# Altium PCB Load_Bank_Master.PcbDoc (part 1 of 3)
Units mil, origin at the board's own origin, x right, y up, seen from the top; angles counter-clockwise.
Board outline 5535 x 9250 mil, 4 copper layers (Top Layer, Layer 1, Layer 2, Bottom Layer), stack 62.448 mil thick; 225 components, 216 nets, 1024 pads, 192 vias.
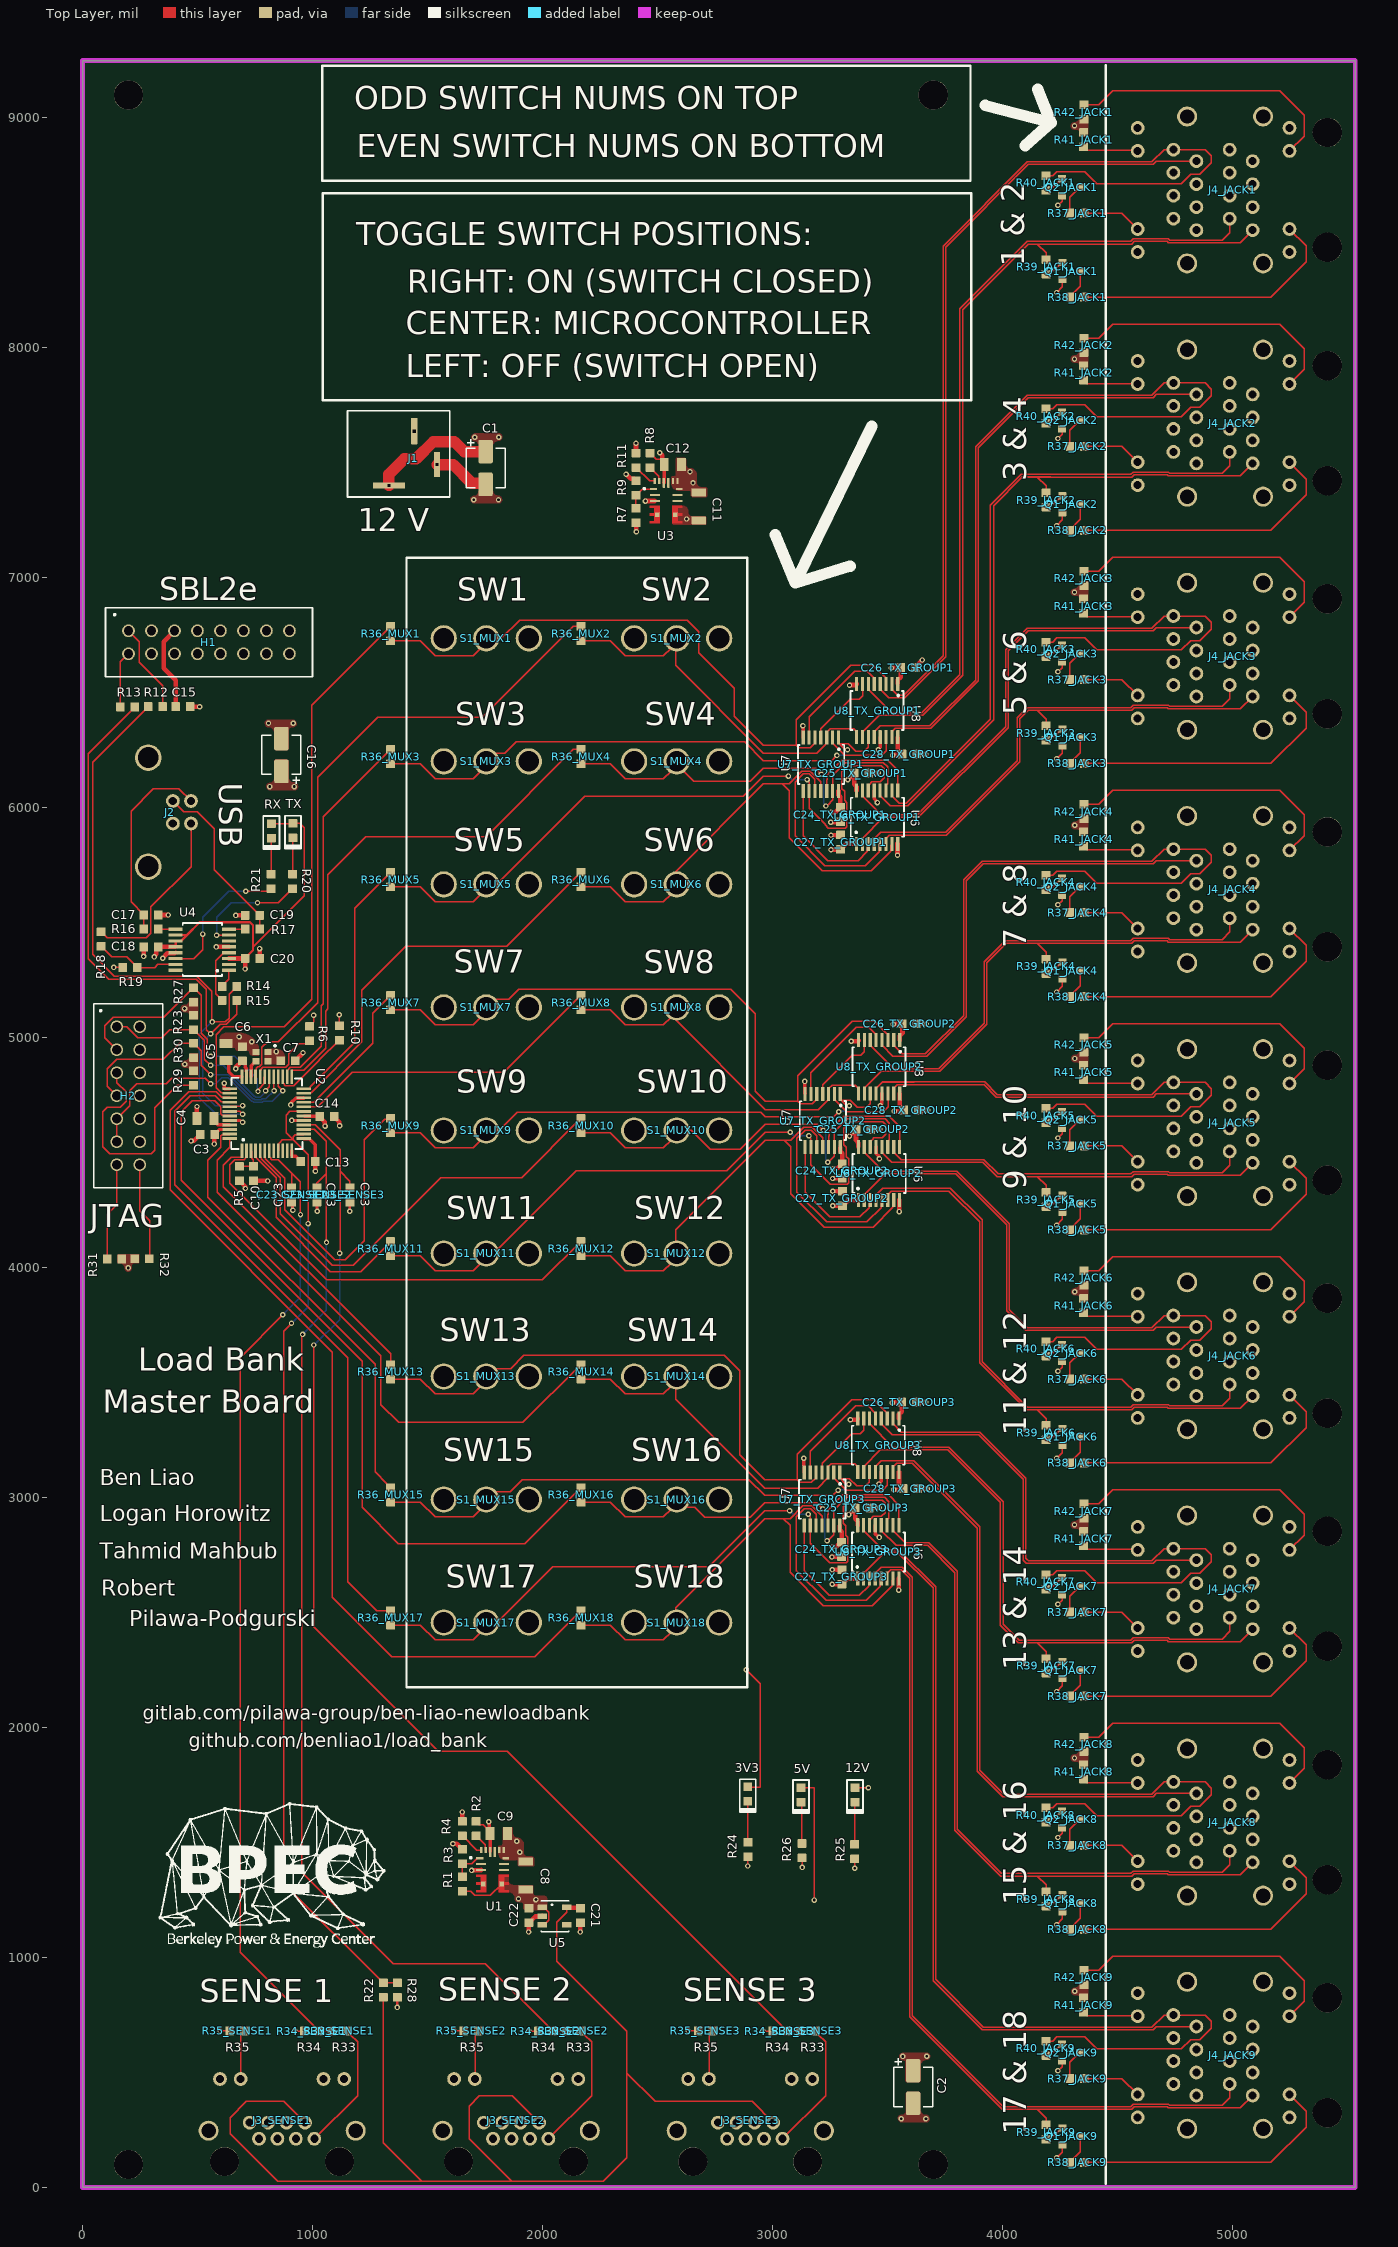
[diagram p0: Top Layer view]
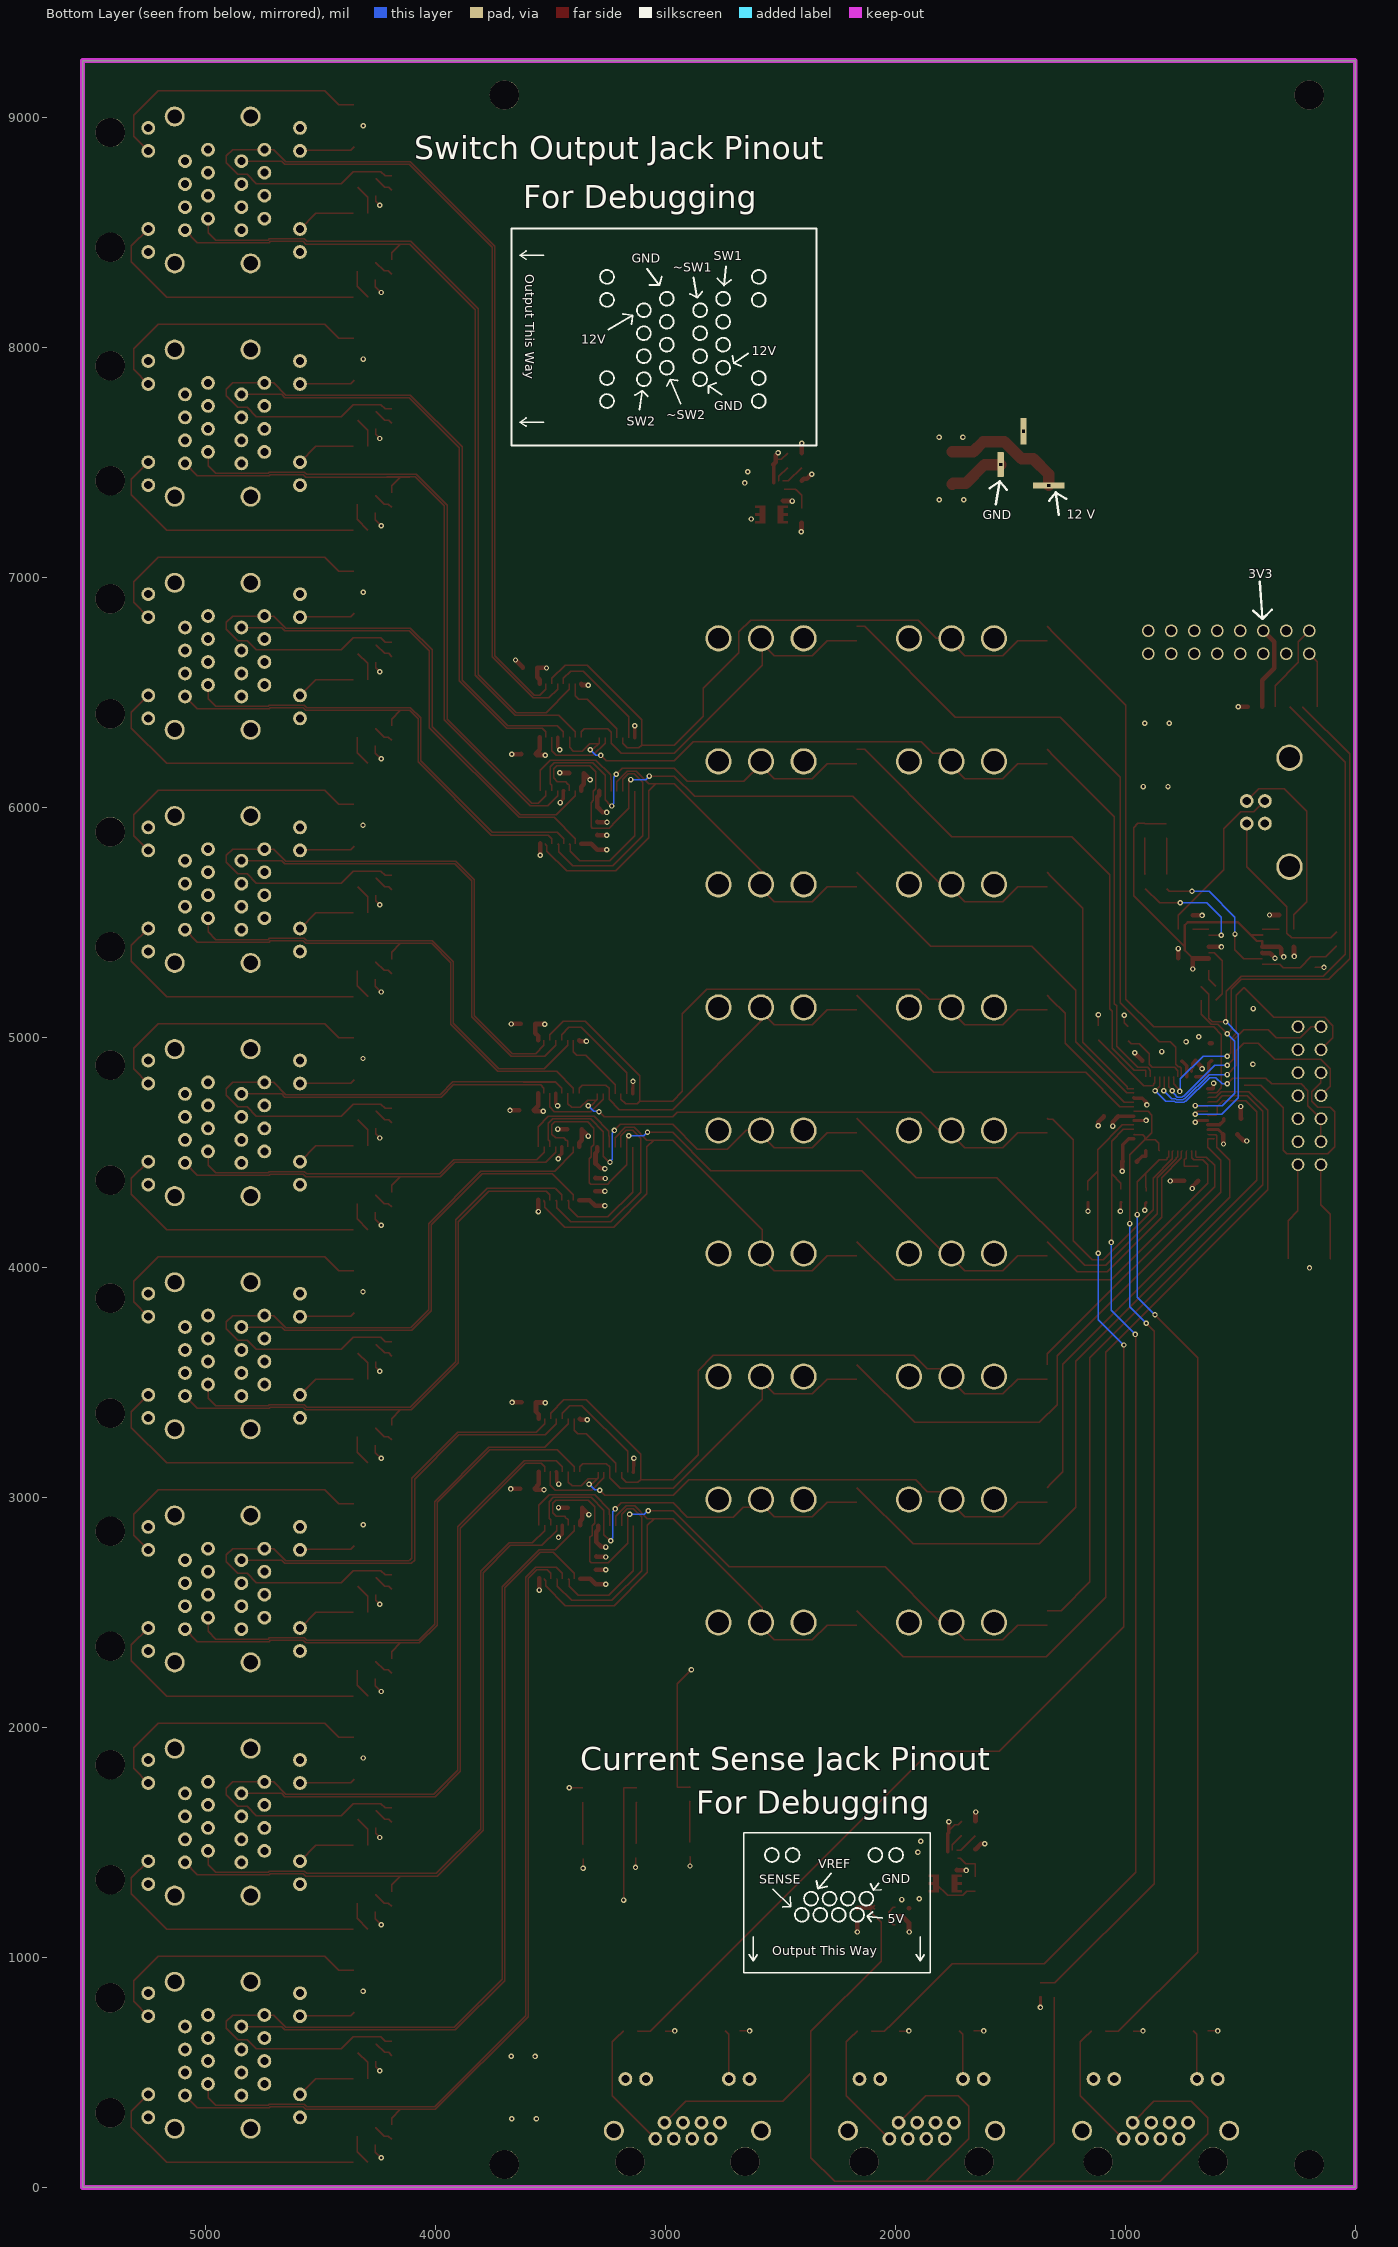
[diagram p1: Bottom Layer view, seen from below]
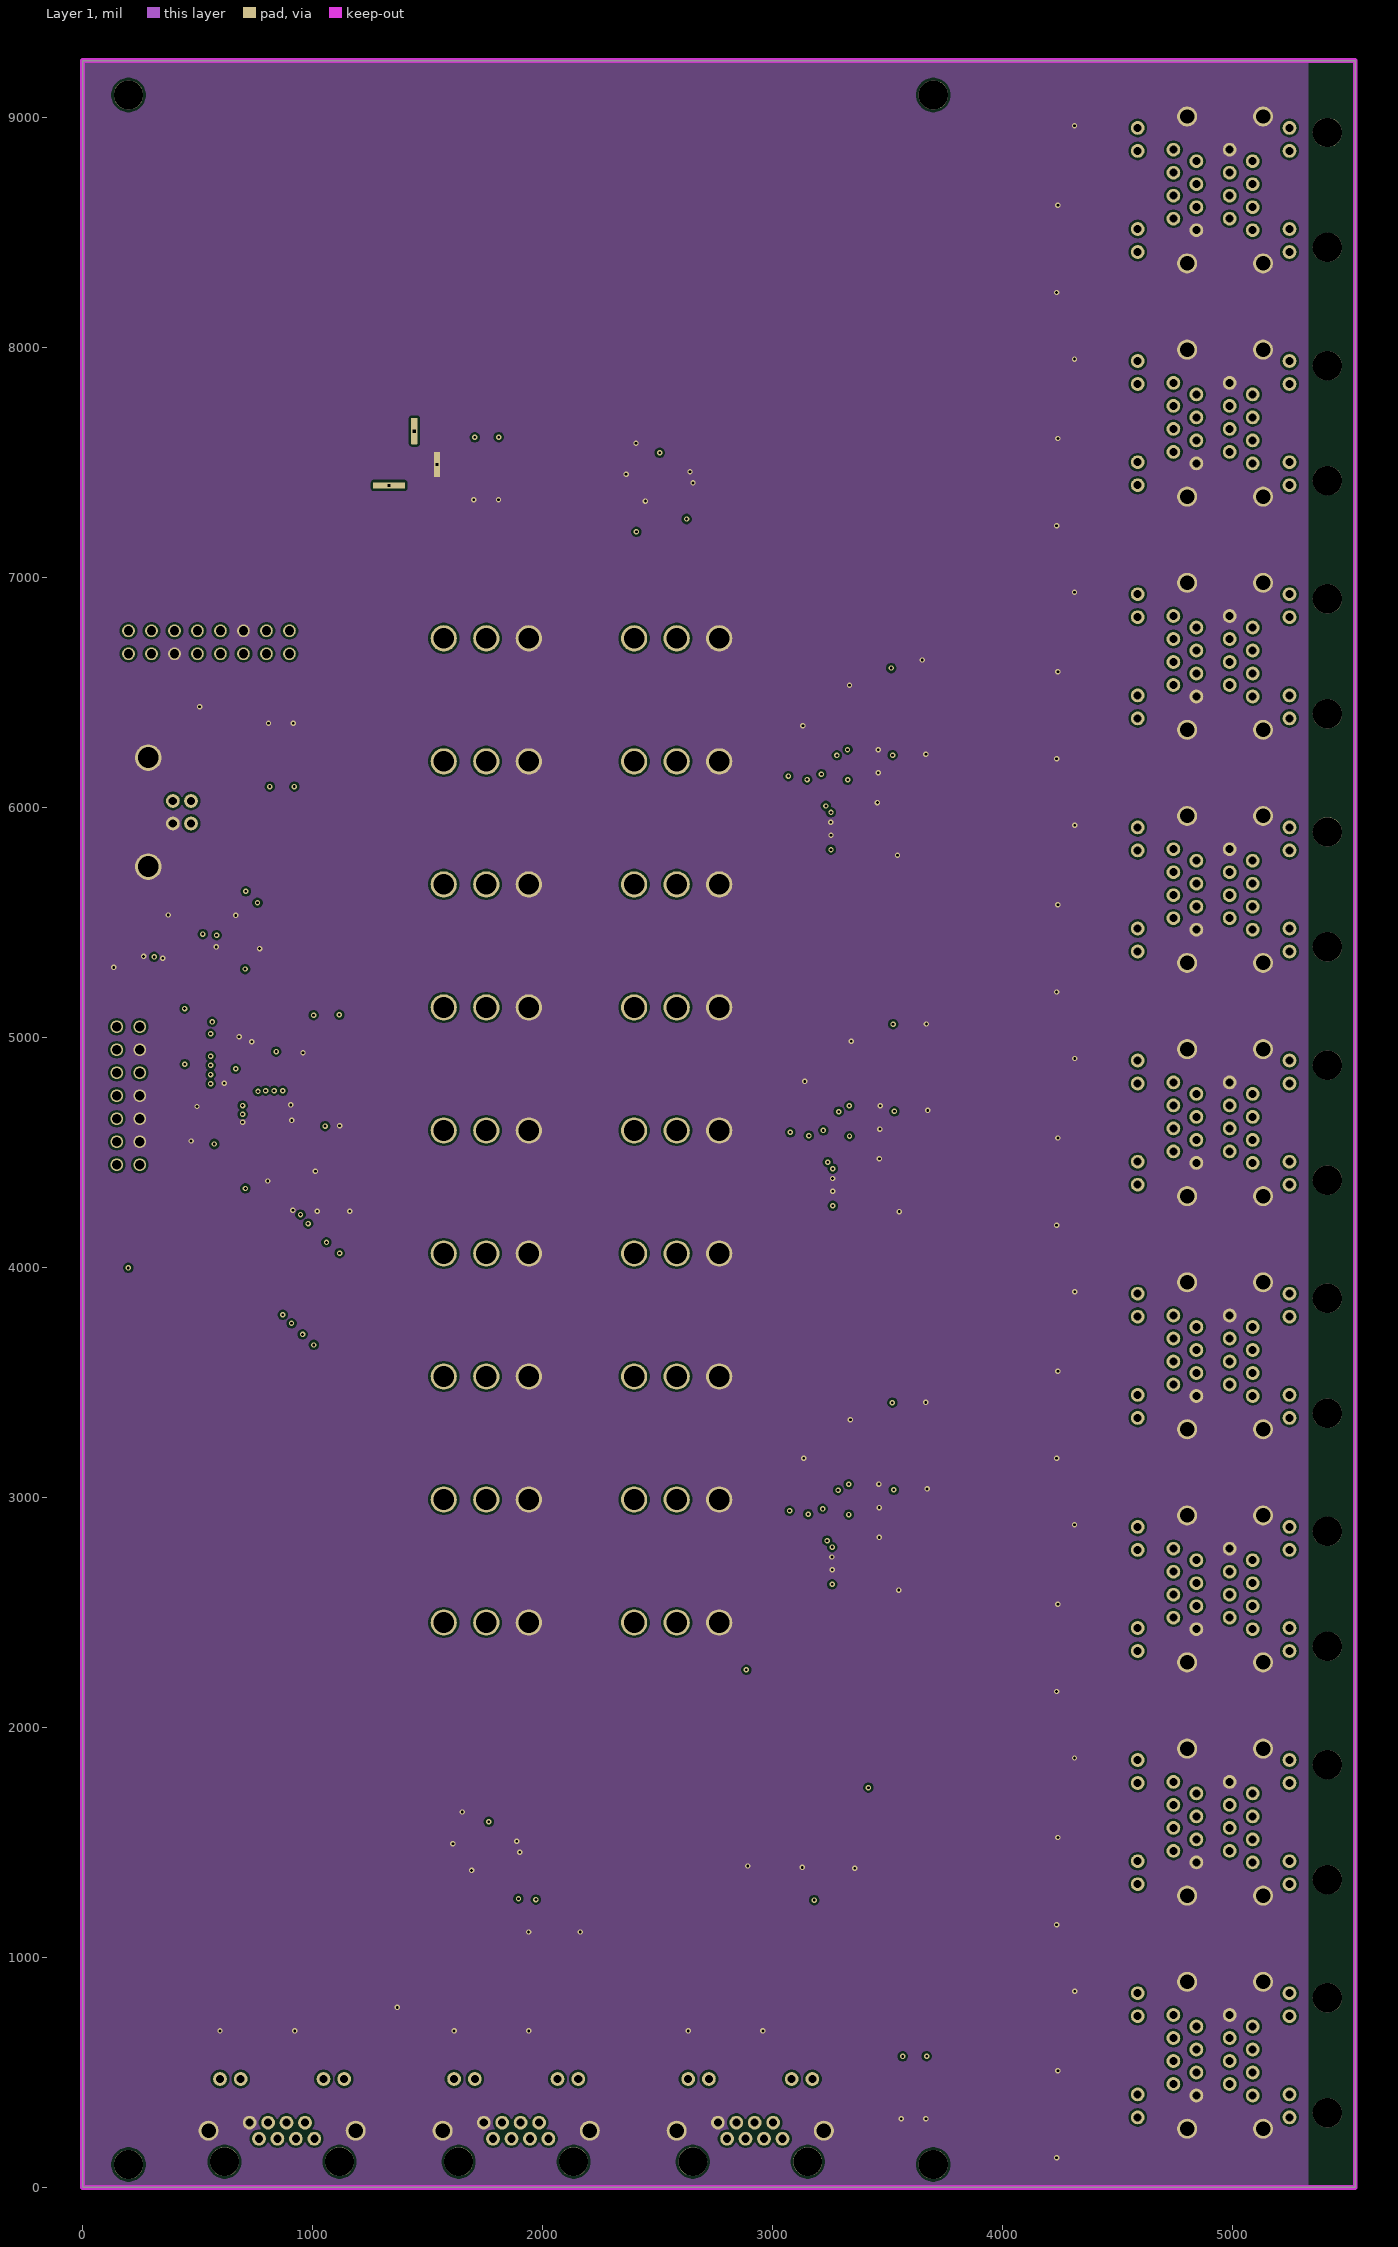
[diagram p2: Layer 1]
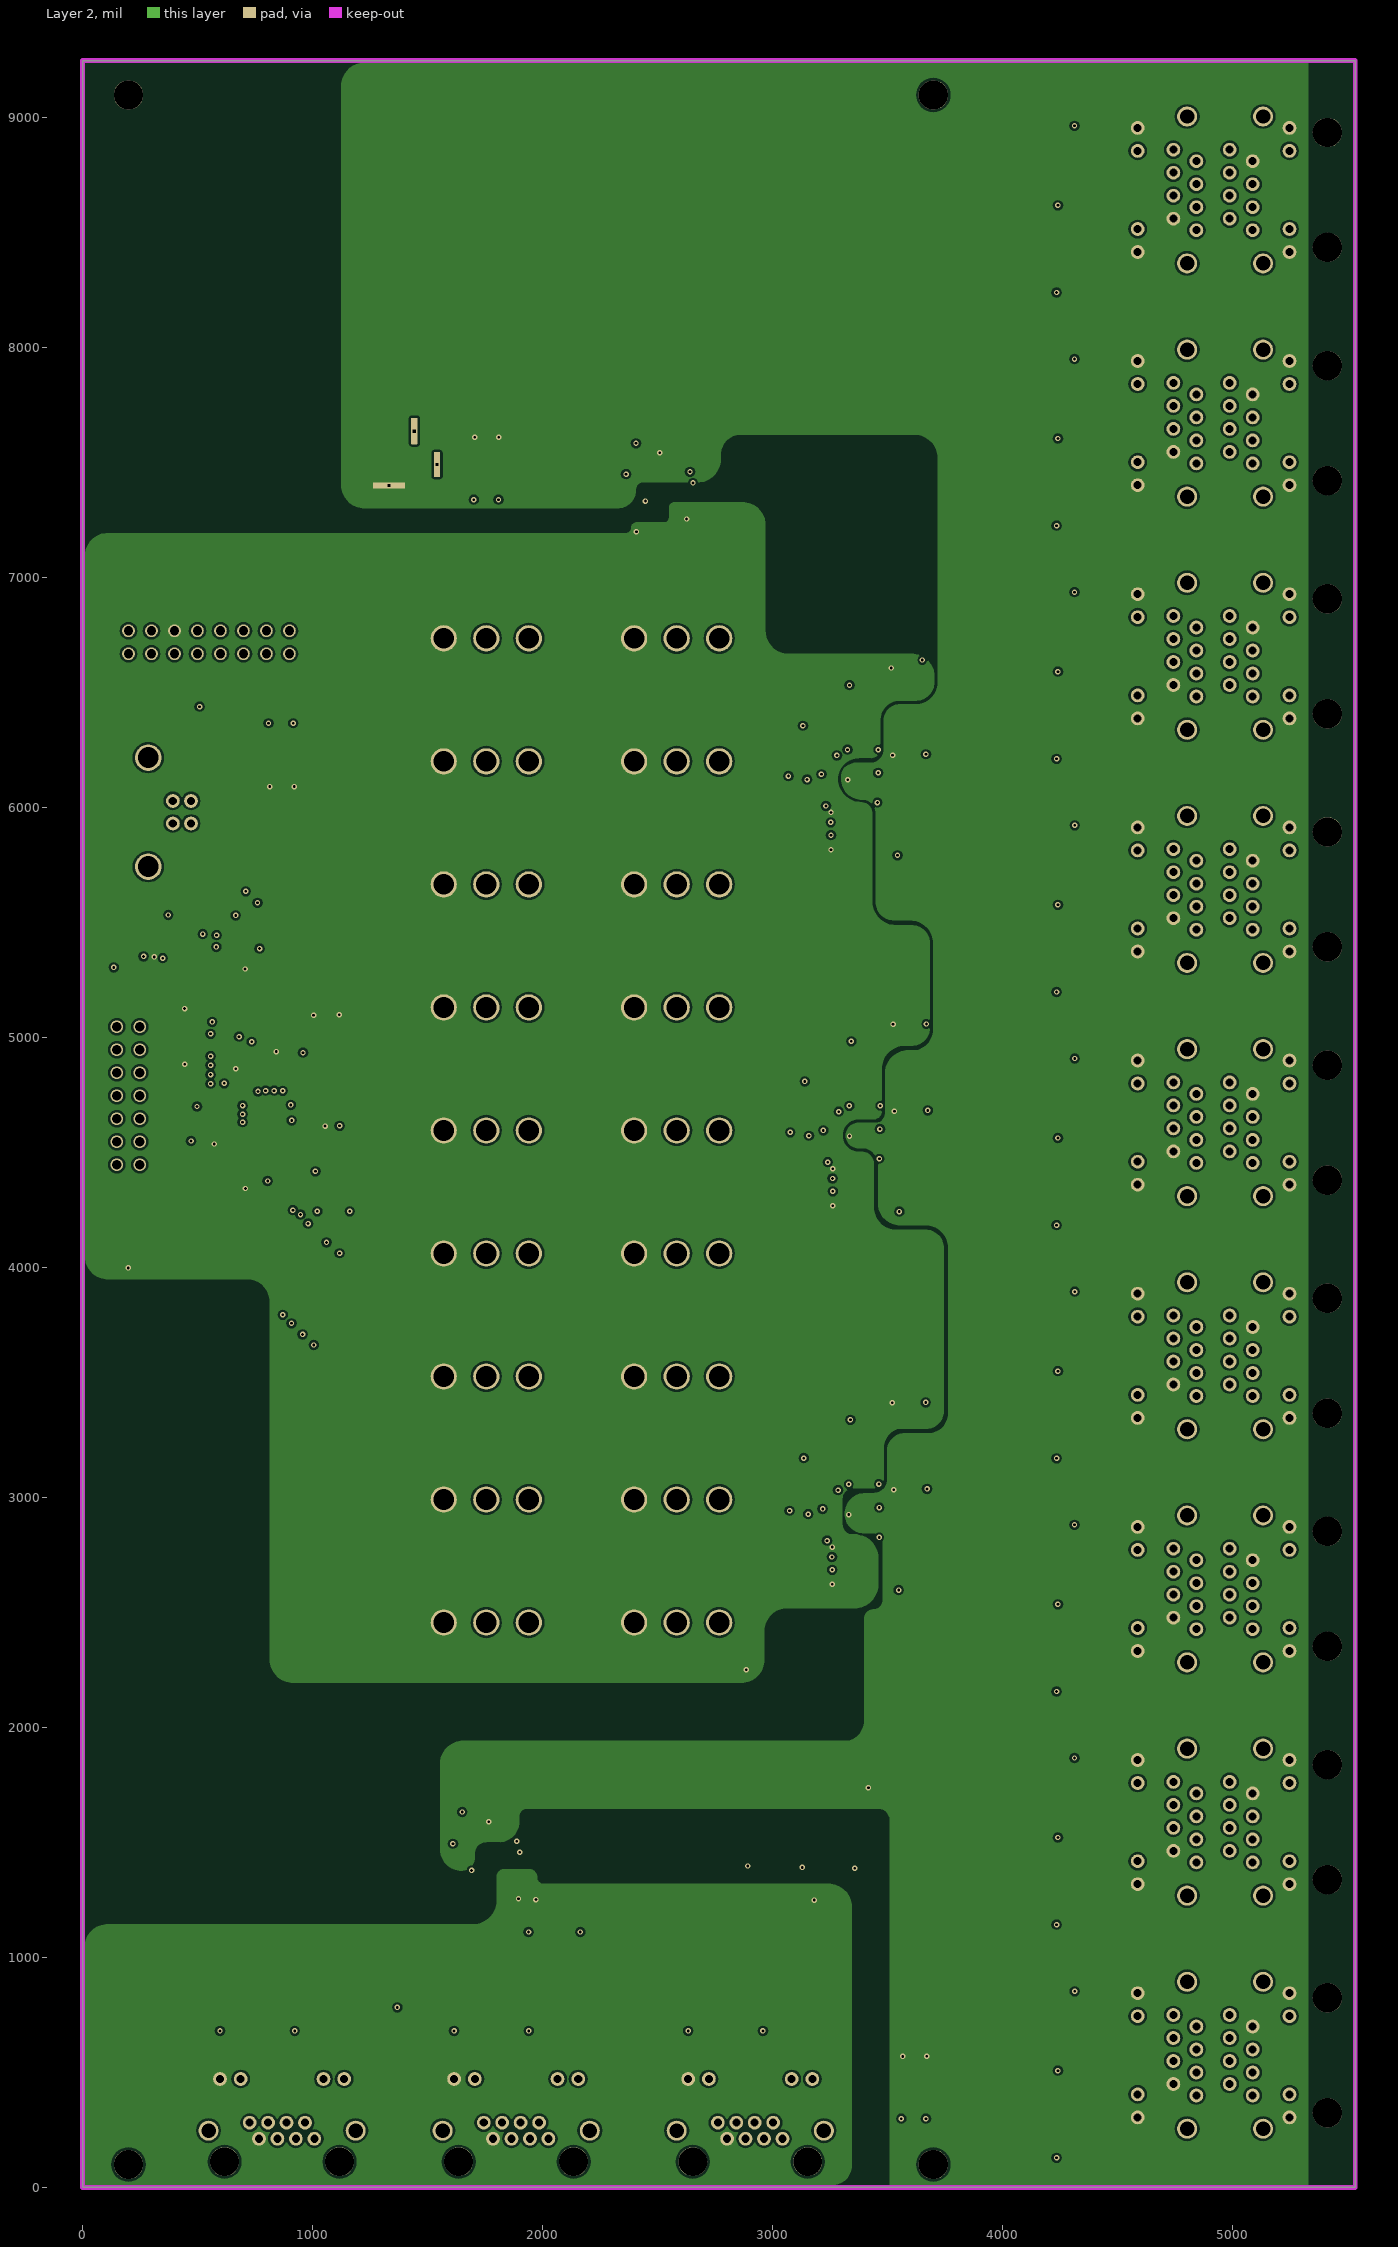
[diagram p3: Layer 2]
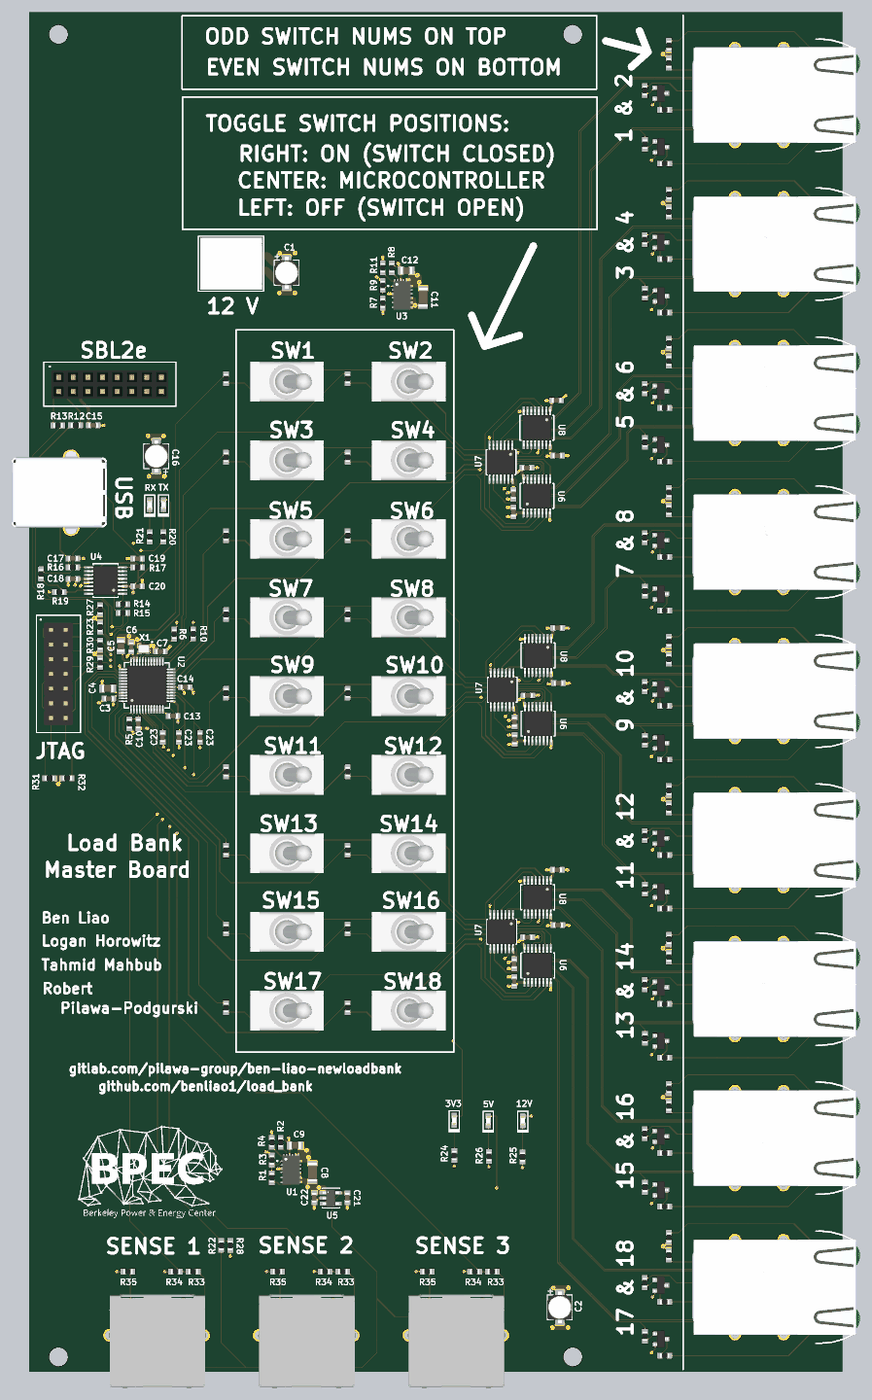
[diagram p6: 3D render of the assembled board from above, using the file's embedded part models]

## Layer stack, top to bottom
Top Solder: solder mask 0.4, Solder Resist, Dk 3.5
Top Layer: signal copper 1.378
Dielectric 2: prepreg 8.283, PP-006, Dk 4.1
Layer 1: signal copper 0.598
Dielectric 1: dielectric 41.93, FR-4, Dk 4.8
Layer 2: signal copper 0.598
Dielectric 3: prepreg 8.283, PP-006, Dk 4.1
Bottom Layer: signal copper 1.378
Bottom Solder: solder mask 0.4, Solder Resist, Dk 3.5

## Board outline
0,0 5535,0 5535,9250 0,9250

## Design rules (kind name [scope] priority, off if disabled: settings)
BoardOutlineClearance [All] p1: gap=9.84 ignorepadtopadclearanceinfootprint=FALSE
Clearance Clearance_Edge [OnLayer('Keep-Out Layer')] p1: gap=0 ignorepadtopadclearanceinfootprint=FALSE
Clearance Clearance_SW [InNet('SW')] p2: gap=15.75 ignorepadtopadclearanceinfootprint=FALSE except(0: Arc-Hole Track-Hole SMDPad-Hole THPad-Hole Via-Hole Fill-Hole Poly-Hole Region-Hole Text-Hole; 5: Arc-Arc Arc-Track Track-Track; 5.98: Arc-SMDPad Track-SMDPad SMDPad-SMDPad; 7.87: Via-Via; 10: Arc-THPad Arc-Via Arc-Text Track-THPad Track-Via Track-Text SMDPad-THPad SMDPad-Via SMDPad-Text THPad-THPad THPad-Via THPad-Text Via-Text Fill-Text Poly-Text Region-Text Text-Text)
Clearance [All] p3: gap=10 ignorepadtopadclearanceinfootprint=FALSE except(0: Arc-Hole Track-Hole SMDPad-Hole THPad-Hole Via-Hole Fill-Hole Poly-Hole Region-Hole Text-Hole; 5: Arc-Arc Arc-Track Arc-SMDPad Track-Track Track-SMDPad SMDPad-SMDPad; 5.98: SMDPad-Fill SMDPad-Poly SMDPad-Region; 7.87: Via-Via)
ComponentClearance [All] p1: gap=3.94 collisioncheckmode=3 verticalgap=3.94 showdistances=FALSE
Height [All] p1: minheight=0 maxheight=3000 prefheight=500
HoleSize [All] p1: absolutevalues=TRUE maxlimit=248.03 minlimit=7.87 maxpercent=80.000 minpercent=20.000
HoleToHoleClearance [All] p1: gap=19.68 allowstackedmicrovias=TRUE
MinimumAnnularRing [All] p1: minimumring=5.12
MinimumSolderMaskSliver [All] p1 off: minsoldermaskwidth=7.87
PolygonConnect [All] p1: connectstyle=Direct reliefconductorwidth=39.37 reliefentries=4 polygonreliefangle="90 Angle" airgapwidth=9.84
RoomDefinition MUX4 [InComponentClass('MUX4')] p1: confinementstyle=ConfineIn formatcopy=TRUE lockcomponents=FALSE outline 2963,5940 2963,6475 2136,6475 2136,5940
RoomDefinition MUX8 [InComponentClass('MUX8')] p2: confinementstyle=ConfineIn formatcopy=TRUE lockcomponents=FALSE outline 2963,4870 2963,5405 2136,5405 2136,4870
RoomDefinition MUX6 [InComponentClass('MUX6')] p3: confinementstyle=ConfineIn formatcopy=TRUE lockcomponents=FALSE outline 2963,5405 2963,5940 2136,5940 2136,5405
RoomDefinition MUX2 [InComponentClass('MUX2')] p4: confinementstyle=ConfineIn formatcopy=TRUE lockcomponents=FALSE outline 2963,6475 2963,7010 2136,7010 2136,6475
RoomDefinition MUX1 [InComponentClass('MUX1')] p5: confinementstyle=ConfineIn formatcopy=TRUE lockcomponents=FALSE outline 2135,6475 2135,7010 1308,7010 1308,6475
RoomDefinition MUX3 [InComponentClass('MUX3')] p6: confinementstyle=ConfineIn formatcopy=TRUE lockcomponents=FALSE outline 2135,5940 2135,6475 1308,6475 1308,5940
RoomDefinition TX_GROUP2 [InComponentClass('TX_GROUP2')] p7: confinementstyle=ConfineIn formatcopy=TRUE lockcomponents=FALSE outline 2969,4169 3766,4169 3766,5096 2969,5096
RoomDefinition MUX17 [InComponentClass('MUX17')] p8: confinementstyle=ConfineIn formatcopy=TRUE lockcomponents=FALSE outline 2135,2195 2135,2730 1308,2730 1308,2195
RoomDefinition TX_GROUP1 [InComponentClass('TX_GROUP1')] p9: confinementstyle=ConfineIn formatcopy=TRUE lockcomponents=FALSE outline 2961,5718 3758,5718 3758,6645 2961,6645
RoomDefinition MUX13 [InComponentClass('MUX13')] p10: confinementstyle=ConfineIn formatcopy=TRUE lockcomponents=FALSE outline 2135,3265 2135,3800 1308,3800 1308,3265
RoomDefinition MUX11 [InComponentClass('MUX11')] p11: confinementstyle=ConfineIn formatcopy=TRUE lockcomponents=FALSE outline 2135,3800 2135,4335 1308,4335 1308,3800
RoomDefinition MUX15 [InComponentClass('MUX15')] p12: confinementstyle=ConfineIn formatcopy=TRUE lockcomponents=FALSE outline 2135,2730 2135,3265 1308,3265 1308,2730
RoomDefinition MUX9 [InComponentClass('MUX9')] p13: confinementstyle=ConfineIn formatcopy=TRUE lockcomponents=FALSE outline 2135,4335 2135,4870 1308,4870 1308,4335
RoomDefinition MUX5 [InComponentClass('MUX5')] p14: confinementstyle=ConfineIn formatcopy=TRUE lockcomponents=FALSE outline 2135,5405 2135,5940 1308,5940 1308,5405
RoomDefinition MUX7 [InComponentClass('MUX7')] p15: confinementstyle=ConfineIn formatcopy=TRUE lockcomponents=FALSE outline 2135,4870 2135,5405 1308,5405 1308,4870
RoomDefinition MUX12 [InComponentClass('MUX12')] p16: confinementstyle=ConfineIn formatcopy=TRUE lockcomponents=FALSE outline 2963,3800 2963,4335 2136,4335 2136,3800
RoomDefinition MUX14 [InComponentClass('MUX14')] p17: confinementstyle=ConfineIn formatcopy=TRUE lockcomponents=FALSE outline 2963,3265 2963,3800 2136,3800 2136,3265
RoomDefinition MUX16 [InComponentClass('MUX16')] p18: confinementstyle=ConfineIn formatcopy=TRUE lockcomponents=FALSE outline 2963,2730 2963,3265 2136,3265 2136,2730
RoomDefinition MUX10 [InComponentClass('MUX10')] p19: confinementstyle=ConfineIn formatcopy=TRUE lockcomponents=FALSE outline 2963,4335 2963,4870 2136,4870 2136,4335
RoomDefinition MUX18 [InComponentClass('MUX18')] p20: confinementstyle=ConfineIn formatcopy=TRUE lockcomponents=FALSE outline 2963,2195 2963,2730 2136,2730 2136,2195
RoomDefinition TX_GROUP3 [InComponentClass('TX_GROUP3')] p21: confinementstyle=ConfineIn formatcopy=TRUE lockcomponents=FALSE outline 2966,2523 3763,2523 3763,3450 2966,3450
RoomDefinition JACK9 [InComponentClass('JACK9')] p22: confinementstyle=ConfineIn formatcopy=TRUE lockcomponents=FALSE outline 4108,74 5820,74 5820,1088 4108,1088
RoomDefinition JACK8 [InComponentClass('JACK8')] p23: confinementstyle=ConfineIn formatcopy=TRUE lockcomponents=FALSE outline 4108,1088 5820,1088 5820,2102 4108,2102
RoomDefinition JACK7 [InComponentClass('JACK7')] p24: confinementstyle=ConfineIn formatcopy=TRUE lockcomponents=FALSE outline 4108,2102 5820,2102 5820,3116 4108,3116
RoomDefinition JACK6 [InComponentClass('JACK6')] p25: confinementstyle=ConfineIn formatcopy=TRUE lockcomponents=FALSE outline 4108,3116 5820,3116 5820,4130 4108,4130